# Altium PCB WireFeeder.PcbDoc (part 2 of 2)
Units mil, origin at the board's own origin, x right, y up, seen from the top; angles counter-clockwise.
Board outline 3937.01 x 3937.01 mil, 2 copper layers (Top Layer, Bottom Layer), stack 61.855 mil thick; 130 components, 92 nets, 379 pads, 161 vias.
Unrouted connection lines stored in the file: 1.
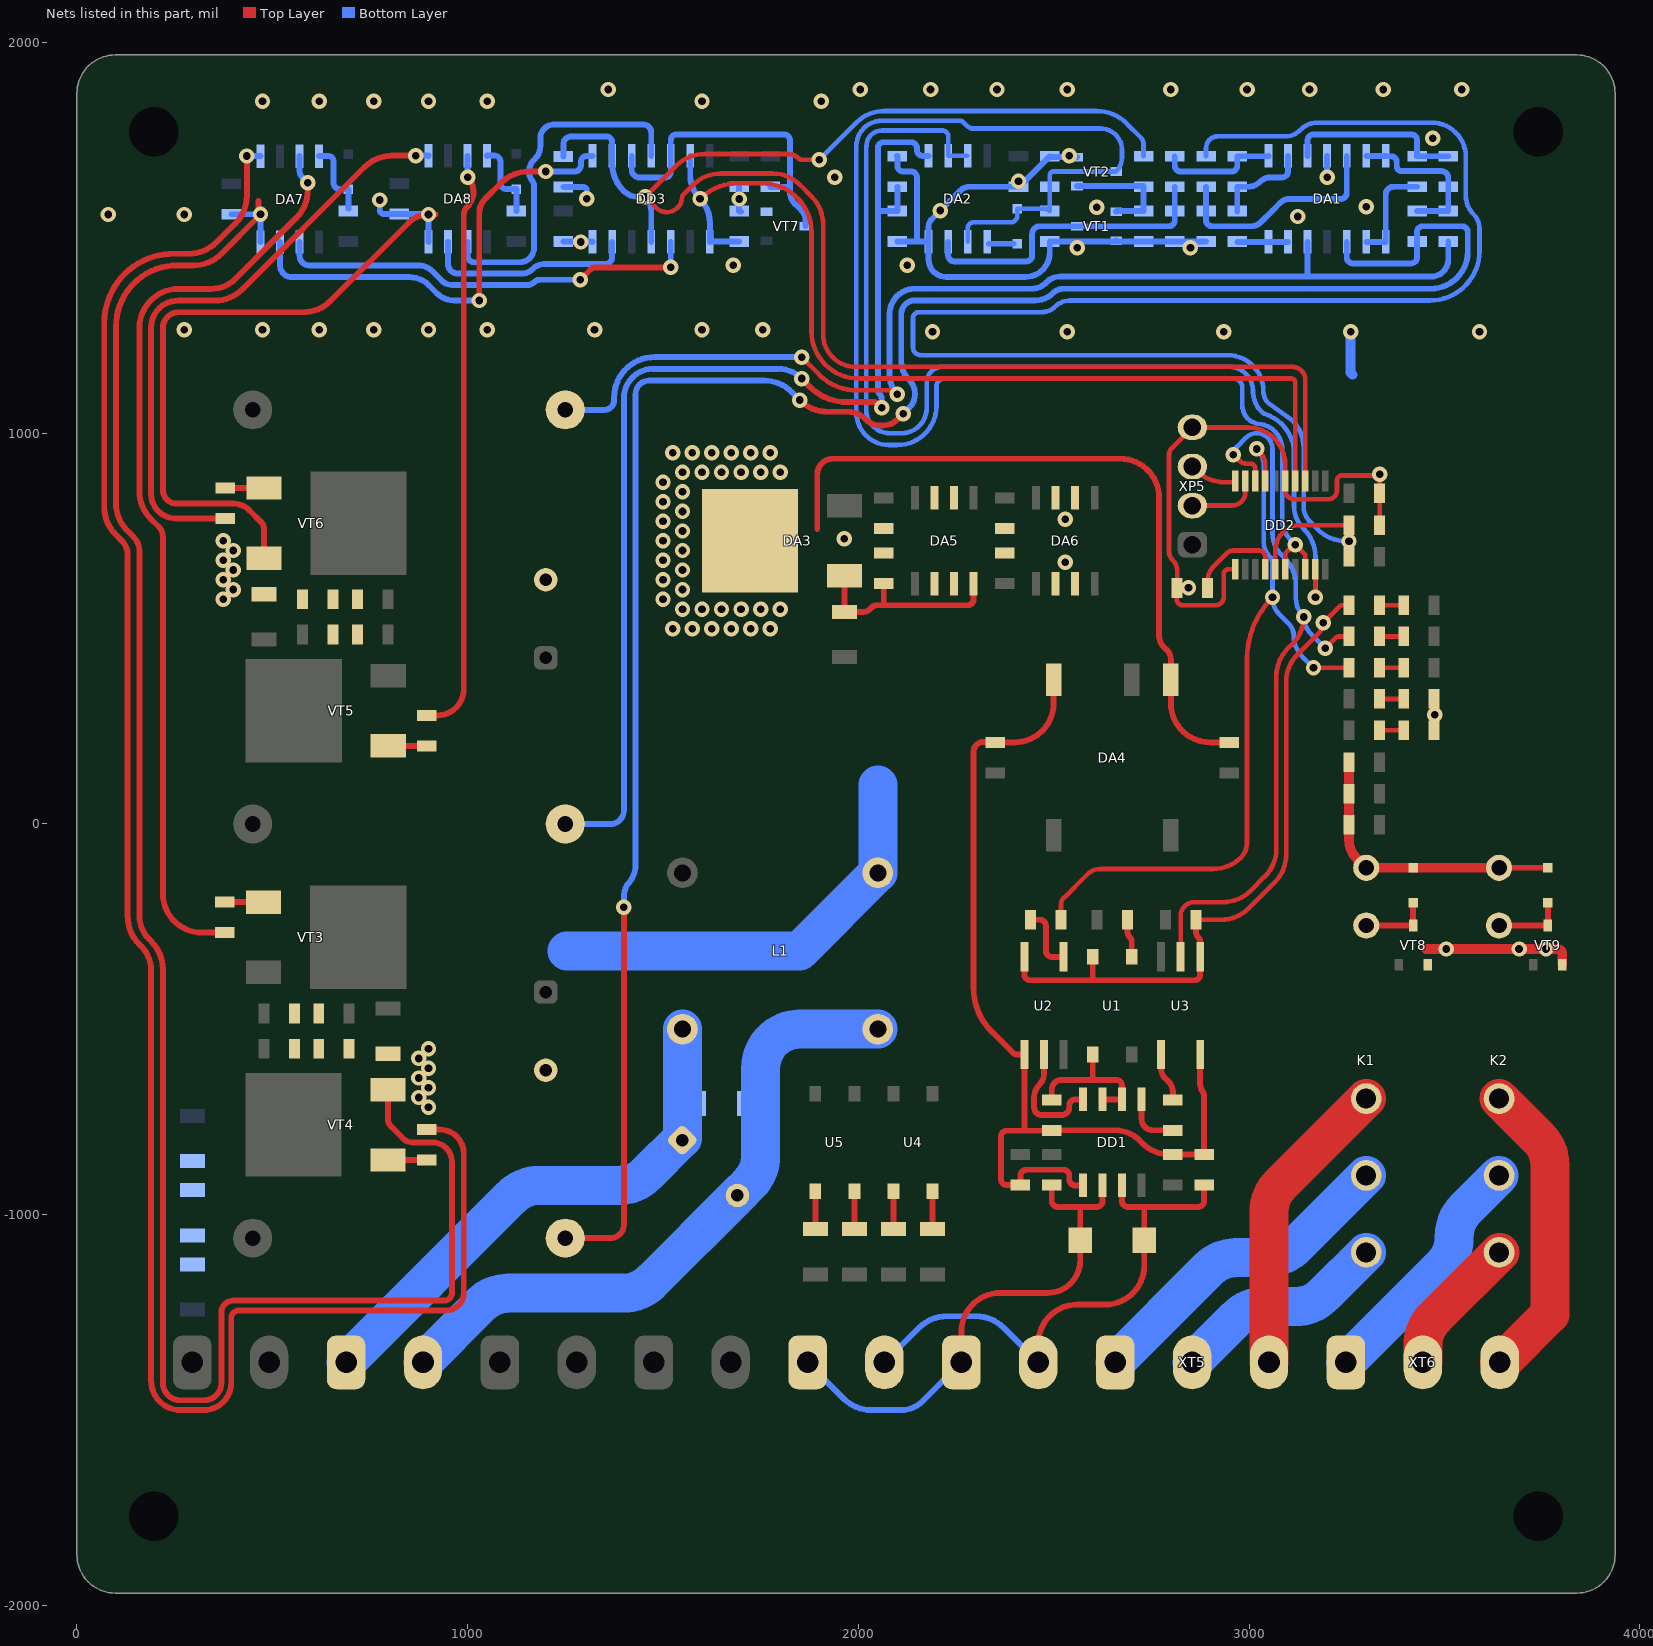
[diagram p2: the nets of this part, all layers, seen from the top]

## Via types
v1: diameter 39.37, hole 19.68, Top Layer to Bottom Layer, tented both sides, 161 vias

## Nets (pads, with @x,y where several pads share a name; then routed paths per layer and width w, separated by ;. In a path a pad name is that pad's centre, name@x,y a point inside that pad or via, vN(x,y) a via of type N, cw(c..) or ccw(c..) an arc to the next point about the centre after c; other vN are vias at no path point) (continued)
GND: C1.1 C2.1 C3.1 C4.2 C7.1 C10.1 C12.1 C13.1 C14.1 C15.1 C16.1 C17.1 C18.1 C20.1 C23.1 C25.1 C26.1 C27.1 C28.2 C29.2 C31.1 C32.2 C33.2 DA1.11 DA2.4 DA3.GND DA4.-Vin DA5.2 DA5.3 DA5.6 DA5.7 DA6.2 DA6.3 DA6.6 DA6.7 DA7.4 DA8.4 DD2.1 DD2.15 DD3.7 L1.OutB R10.1 R13.1 R15.1 R33.1 R35.1 R36.1 R44.1 U1.2 U2.2 U3.3 VD10.Cathode VD11.Cathode VT1.Source VT2.Source VT4.Source VT6.Source VT7.Source VT8.Source VT9.Source XP5.4 | length 15614.8
  Top Layer w12: 2805,675 cw(c2778.44,648.44) 2816,648.44 2816,605 ccw(c2816,604) 2815,604 2815,575 ccw(c2830,575) 2830,560 2915,560 ccw(c2915,580) 2935,580 2935,639 cw(c2947.81,639) 2947.81,651.81 DD2.1@2964.84,651.81 ; 2804.98,675.02 cw(c2829.14,699.14) 2795,699.14 2795,942.93 cw(c2824.14,942.93) 2803.54,963.54 XP5.4@2855,1015 2996.86,1015 cw(c2996.86,919.07) 3092.8,919.07 DD2.15@3092.8,878.19 3092.8,854.2 ccw(c3116,854.2) 3116,831 3203,831 ccw(c3203,853) 3219.73,838.71 ccw(c3203,853) 3225,853 3225,879 cw(c3238,879) 3238,892 3323,892 cw(c3323,880) 3335,880 3335,766 cw(c3334,766) C17.1@3334,765 ; C7.1@2864,-245 2928.58,-245 ccw(c2928.58,-145) 2999.29,-215.71 3065.71,-149.29 ccw(c2995,-78.58) 3095,-78.58 3095,363.58 cw(c3195,363.58) 3124.29,434.29 3146.72,456.72 ; R44.1@3261,560 R44.1@3256,560 3235,560 v1(3190,515) cw(c3153.79,515) 3190,514.6 cw(c3153.79,515) 3179.39,489.39 3146.79,456.79 ; VD11.Cathode@3479,240 VD10.Cathode@3479,320 ; 3146.72,456.72 ccw(c3078.43,525) 3146.79,456.79 ; 3146.72,456.72 3146.79,456.79
  Top Layer w15: 465,1594.63 465,1554.63 369.29,1458.92 cw(c298.58,1529.63) 298.58,1429.63 256.37,1429.63 ccw(c256.37,1273.26) 100,1273.26 100,821.42 ccw(c200,821.42) 129.29,750.71 145.01,734.99 cw(c108.79,698.79) 160,698.79 160,-234.64 ccw(c245.36,-234.64) 185,-295 190.71,-300.71 cw(c120,-371.42) 220,-371.42 220,-1430 ccw(c265,-1430) 265,-1475 325,-1475 ccw(c325,-1430) 370,-1430 370,-1250 cw(c400,-1250) 400,-1220 940,-1220 ccw(c940,-1200) 960,-1200 960,-865 ccw(c910,-865) 910,-815 859.14,-815 cw(c859.14,-780.86) 835,-805 803.78,-773.78 cw(c822.56,-755) 796,-755 VT4.Source@796,-680 ; VT6.Source@479,680 479,754.1 ccw(c451.24,754.1) 470.88,773.72 441.99,802.61 ccw(c400,760.62) 400,820 255,820 cw(c255,855) 220,855 220,1269.63 cw(c260,1269.63) 260,1309.63 578.58,1309.63 ccw(c578.58,1409.63) 649.29,1338.92 850,1539.63 cw(c898.28,1491.34) 898.28,1559.63 v1@918,1559.63 ; 1895,755 1895,895 cw(c1935,895) 1935,935 2670,935 cw(c2670,835) 2770,835 2770,480 ccw(c2806.21,480) 2780.61,454.39 2790,445 cw(c2765.86,420.86) 2800,420.86 DA4.-Vin@2800,368.82 2800,309 ccw(c2900,309) 2900,209 C10.1@2950,209 ; U2.2@2425,-340 2425,-385 ccw(c2440,-385) 2440,-400 2600,-400 ; U1.2@2600,-340 2600,-400 ; C7.1@2864,-245 2864,-275.51 ccw(c2884.49,-275.51) 2870,-290 cw(c2857.93,-302.07) 2875,-302.07 U3.3@2875,-340 2875,-385 cw(c2860,-385) 2860,-400 2600,-400
  Top Layer w25: 3453,-320 v1(3505,-320) v1(3691.18,-320) v1(3760,-320) 3790,-320 cw(c3790,-332) 3802,-332 VT9.Source@3802,-360
  Bottom Layer w15: C18.1@395,1560.63 v1(470,1560.63) DA7.4@470,1489.63 ; v1(775,1597) 775,1572.63 ccw(c786.63,1572.63) 786.63,1561 C20.1@825,1561 v1@900,1561 ; DA8.4@900,1490 v1(900,1560) ; R33.1@1245,1490.63 1319,1490.63 cw(c1319,1489.63) DD3.7@1320,1489.63 ; R35.1@1245,1630.63 1295,1630.63 cw(c1295,1620.63) 1305,1620.63 v1(1305,1600) v1@1305,1599.63 ; C33.2@1695,1630.63 v1(1695,1599.63) R36.1@1695,1569 ccw(c1699.83,1573.83) R36.1@1699.83,1567 ; R15.1@2099,1710 cw(c2099,1709) R15.1@2100,1709 2100,1685 ccw(c2115,1685) 2115,1670 2135,1670 cw(c2135,1655) 2150,1655 2150,1491 ; C4.2@2100,1491 2150,1491 ; DA2.4@2180,1490 2180,1445 ccw(c2225,1445) 2225,1400 2427.46,1400 ccw(c2427.46,1462.54) 2490,1462.54 R10.1@2490,1491 2658,1491 ccw(c2658,1493) VT1.Source@2660,1493 ccw(c2662,1493) 2662,1491 C3.1@2730,1491 C1.1@2810,1491 R13.1@2890,1491 ; VT2.Source@2560,1707 2494.83,1707 cw(c2494.83,1713.83) C2.1@2490,1709 2413.41,1632.41 cw(c2410,1635.83) C13.1@2410,1631 2285,1631 ccw(c2285,1597.2) 2261.1,1621.1 v1(2210,1570) 2187.4,1547.4 ccw(c2205.29,1529.52) 2180,1529.52 2180,1491 2150,1491 ; v1(3199.87,1655) 3199.87,1709.87 DA1.11@3200,1710
  Bottom Layer w25: v1(3260,1260) 3260,1155 3265,1150
  Bottom Layer w100: 1254.47,-325 1850,-325 L1.OutB@2050,-125 2050,100
  other v1: 900,-725 875,-700 900,-675 875,-650 900,-625 875,-600 900,-575 3475,280 1525,500 1575,500 1625,500 1675,500 1725,500 1775,500 1550,550 1600,550 1650,550 1700,550 1750,550 1800,550 375,575 1500,575 400,600 1550,600 2845,605 375,625 1500,625 400,650 1550,650 2529.63,670 375,675 1500,675 400,700 1550,700 375,725 1500,725 1964.13,730 1550,750 1500,775 2530,780 1550,800 1500,825 1550,850 1500,875 3335,895 1550,900 1600,900 1650,900 1700,900 1750,900 1800,900 1525,950 1575,950 1625,950 1675,950 1725,950 1775,950 2190,1260 2535,1260 2935,1260 3590,1260 275,1265 475,1265 620,1265 760,1265 900,1265 1050,1265 1325,1265 1600,1265 1755.21,1265 1680,1430 2125,1430 2560,1475 2850,1475 1290,1489.63 3125,1555 80,1560 275,1560 2610,1578.75 3300,1580 2410,1645 1940,1655 2540,1710 3470,1755 475,1850 620,1850 760,1850 900,1850 1050,1850 1600,1850 1905.21,1850 1360,1880 2005,1880 2185,1880 2355,1880 2535,1880 2800,1880 2995,1880 3155,1880 3343.96,1880 3544.39,1880
GND-RS485: C5.1 C6.1 C11.1 DA4.COM DD1.5 R17.2 R18.1 U2.3 U3.2 | length 2553.1
  Top Layer w15: R18.1@2480.5,-785 2425,-785 ; R18.1@2495,-784 2657.23,-784 cw(c2657.23,-872.77) 2720,-810 2726.71,-816.71 ccw(c2797.42,-746) 2797.42,-846 C5.1@2805,-846 2882.59,-846 ccw(c2882.59,-842.59) 2885,-845 2885,-696.64 ccw(c2862.55,-696.64) 2883.38,-688.26 ; DA4.COM@2500,368.82 2500,309 cw(c2400,309) 2400,209 C11.1@2350,209 ccw(c2349,209) 2349,210 2320,210 ccw(c2320,185) 2295,185 2295,-419.64 ccw(c2452.78,-419.64) 2341.21,-531.21 2395,-585 ccw(c2407.07,-572.93) 2407.07,-590 U2.3@2425,-590 2425,-785 ; DD1.5@2575,-925 2555,-925 cw(c2555,-910) 2540,-910 2540,-900 ccw(c2525,-900) 2525,-885 2430,-885 ccw(c2430,-900) 2415,-900 C6.1@2415,-924 2380,-924 cw(c2380,-909) 2365,-909 2365,-800 cw(c2380,-800) 2380,-785 2425,-785 ; U3.2@2875,-590 2875,-665.86 ccw(c2909.14,-665.86) 2878.43,-680.76 ; 2878.43,-680.76 ccw(c2909.14,-665.86) 2883.38,-688.26 ; 2878.43,-680.76 cw(c2862.55,-696.64) 2883.38,-688.26
Loop: DD2.13 DD3.4 DD3.9 R11.2 R35.2 | length 4342.6
  Top Layer w12: 1480.61,1579.39 v1(1455,1605) 1535.71,1685.71 cw(c1606.42,1615) 1606.42,1715 1820.86,1715 cw(c1820.86,1680.86) 1845,1705 ccw(c1857.07,1717.07) 1857.07,1700 v1(1900,1700) ; 1482.42,1577.42 ccw(c1510,1605) 1549,1605 cw(c1554.69,1605) 1550.67,1609.02 1577.36,1635.71 cw(c1648.07,1565) 1648.07,1665 1780.06,1665 cw(c1780.06,1565) 1848.29,1638.1 cw(c1780.06,1565) 1850.77,1635.71 1880.71,1605.77 cw(c1810,1535.06) 1910,1535.06 1910,1253.04 ccw(c1993.04,1253.04) 1993.04,1170 3110.99,1170 cw(c3110.99,1137.01) 3143.98,1137.01 DD2.13@3143.98,878.19
  Bottom Layer w12: v1(1900,1700) 1995.71,1795.71 cw(c2066.42,1725) 2066.42,1825 2609.04,1825 cw(c2609.04,1714.04) 2687.5,1792.5 2722.93,1757.07 cw(c2705.86,1740) 2730,1740 R11.2@2730,1709
  Bottom Layer w15: R35.2@1245,1708.63 1245,1739.63 cw(c1265,1739.63) 1265,1759.63 1355,1759.63 cw(c1355,1744.63) 1370,1744.63 1370,1691.05 ccw(c1470,1691.05) 1399.29,1620.34 ccw(c1436.32,1657.37) 1436.32,1605 v1(1455,1605) cw(c1418.79,1568.79) 1470,1568.79 DD3.4@1470,1490 DD3.4@1470,1489.63
Loop_A: DA8.3 DD3.6 | length 546.6
  Bottom Layer w15: DA8.3@950,1490 950,1433.33 ccw(c974.7,1433.33) 974.7,1408.63 1137.13,1408.63 ccw(c1137.13,1450.87) 1167,1421 cw(c1195.97,1392.03) 1195.97,1433 1352,1433 ccw(c1352,1451) 1370,1451 DD3.6@1370,1490
Loop_B: DA7.3 DD3.8 | length 1196.2
  Top Layer w15: v1(1030,1340) 1030,1563.79 cw(c1081.21,1563.79) 1044.99,1599.99 1085.71,1640.71 cw(c1156.42,1570) 1156.42,1670 v1(1200,1670)
  Bottom Layer w15: DA7.3@520,1489.63 520,1429.63 ccw(c550,1429.63) 550,1399.63 851.72,1399.63 cw(c851.72,1331.34) 900,1379.63 921.69,1357.94 ccw(c965,1401.25) 965,1340 v1(1030,1340) ; v1(1200,1670) 1273.74,1670 ccw(c1273.74,1686.26) 1290,1686.26 1290,1694.63 cw(c1305,1694.63) 1305,1709.63 DD3.8@1320,1709.63
NetC1_2: C1.2 DA2.3 R9.2 VT1.Drain | length 793.1
  Bottom Layer w15: DA2.3@2230,1490 2230,1455 ccw(c2245,1455) 2245,1440 2430,1440 ccw(c2430,1455) 2445,1455 2445,1510 cw(c2465,1510) 2465,1530 VT1.Drain@2560,1530 2795,1530 ccw(c2795,1545) 2810,1545 C1.2@2810,1569 R9.2@2810,1631
NetC3_2: C3.2 R11.1 VT1.Gate VT2.Gate | length 304.3
  Bottom Layer w15: VT2.Gate@2560,1633 2728,1633 cw(c2728,1631) R11.1@2730,1631 C3.2@2730,1569 2662,1569 ccw(c2662,1567) VT1.Gate@2660,1567
NetC4_1: C4.1 DA2.5 R14.2 R15.2 | length 2900.1
  Top Layer w15: v1(1855,1140) 1875.71,1119.29 ccw(c1970.56,1214.14) 1970.56,1080 2039.14,1080 cw(c2039.14,1065.86) 2049.14,1075.86 v1(2060,1065)
  Bottom Layer w15: R14.2@1250,0 1365,0 ccw(c1365,35) 1400,35 1400,1090 cw(c1475,1090) 1475,1165 1794.64,1165 cw(c1794.64,1079.64) v1(1855,1140) ; v1(2060,1065) 2060,1087.93 ccw(c2042.93,1087.93) 2055,1100 cw(c2067.07,1112.07) 2050,1112.07 2050,1570 ; R15.2@2100,1631 C4.1@2100,1569 2051,1569 cw(c2051,1570) 2050,1570 ; DA2.5@2180,1710 2165,1710 cw(c2165,1725) 2150,1725 2150,1730 ccw(c2135,1730) 2135,1745 2065,1745 ccw(c2065,1730) 2050,1730 2050,1570
NetC8_1: C8.1 C9.2 L1.InB XT3.2 | length 1676.3
  Bottom Layer w100: XT3.2@885.83,-1377.95 1033.7,-1230.08 cw(c1104.41,-1300.79) 1104.41,-1200.79 1399.21,-1200.79 ccw(c1399.21,-1100.79) 1469.92,-1171.5 C9.2@1690.71,-950.71 1720.71,-920.71 ccw(c1650,-850) 1745.57,-879.43 ccw(c1650,-850) 1750,-850 1750,-625 cw(c1850,-625) 1850,-525 L1.InB@2050,-525
NetC8_2: C8.2 C9.1 L1.InA XT3.1 | length 1368.6
  Bottom Layer w100: XT3.1@688.98,-1377.95 1112.64,-954.29 cw(c1183.35,-1025) 1183.35,-925 1387.16,-925 ccw(c1387.16,-825) 1457.87,-895.71 C9.1@1549.29,-804.29 ; C9.1@1550,-804.29 L1.InA@1550,-525
NetC15_2: C15.2 DA3.Input DA5.8 R22.1 | length 531.8
  Top Layer w15: DA3.Input@1965,635 R22.1@1965,543 2013.1,543 ccw(c2013.1,566.9) 2030,550 2035,555 cw(c2047.07,542.93) 2047.07,560 2065,560 ; C15.2@2065,616 2065,560 ; DA5.8@2295,615 2295,575 cw(c2280,575) 2280,560 2065,560
NetC19_2: C19.2 DA7.8 VD3.Cathode | length 197.1
  Bottom Layer w15: DA7.8@620,1709.63 643,1709.63 cw(c643,1695.63) 657,1695.63 657,1640.63 ccw(c673,1640.63) 673,1624.63 VD3.Cathode@695,1624.63 C19.2@695,1574.63
NetC21_2: C21.2 DA8.8 VD4.Cathode | length 204.5
  Bottom Layer w15: DA8.8@1050,1710 1050,1710.63 1069,1710.63 cw(c1069,1695.63) 1084,1695.63 1084,1640.63 ccw(c1099.63,1640.63) 1099.63,1625 VD4.Cathode@1125,1625 C21.2@1125,1568.63
NetC22_2: C22.2 R27.1
NetC23_2: C23.2 R28.1
NetC24_2: C24.2 R29.1
NetC25_2: C25.2 R30.1
NetC30_1: C30.1 R31.2
NetC30_2: C30.2 R32.1
NetC31_2: C31.2 DD2.4 | length 248.5
  Top Layer w12: C31.2@2894,604 2894,621.37 cw(c2948.63,621.37) 2909.98,659.98 2942.93,692.93 cw(c2960,675.86) 2960,700 3025,700 cw(c3025,683.39) 3041.61,683.39 DD2.4@3041.61,651.81
NetDA1_1: DA1.1 DA1.2 R5.1 | length 262.4
  Bottom Layer w15: DA1.2@3300,1490 DA1.1@3350,1490 3350,1610.94 cw(c3370.06,1610.94) 3370.06,1631 R5.1@3430,1631
NetDA1_3: DA1.3 R1.2 R2.2 | length 5371
  Top Layer w15: R1.2@1250,-1060 1365,-1060 ccw(c1365,-1025) 1400,-1025 v1(1400,-212.93) ; v1(1850,1085) 1850.71,1084.29 ccw(c1921.42,1155) 1921.42,1055 1971.72,1055 cw(c1971.72,986.72) 2020,1035 ccw(c2056.21,1071.21) 2056.21,1020 2062.93,1020 ccw(c2062.93,1073.28) 2100.61,1035.61 v1(2115,1050)
  Bottom Layer w15: v1@1405,-225 cw(c1417.07,-212.93) v1(1400,-212.93) 1400,-188.28 cw(c1468.28,-188.28) 1407.85,-156.5 ccw(c1354.37,-103.02) 1420.8,-139.17 ccw(c1354.37,-103.02) 1430,-103.02 1430,1100 cw(c1465,1100) 1465,1135 1758.58,1135 cw(c1758.58,1035) 1829.29,1105.71 v1(1850,1085) ; v1(2115,1050) 2130.86,1065.86 ccw(c2096.72,1100) 2145,1100 ccw(c2090.02,1100) 2135.32,1131.16 ccw(c2090.02,1100) 2128.9,1138.88 2122.77,1145 cw(c2174.69,1183.59) 2110,1183.59 2110,1305 cw(c2145,1305) 2145,1340 2451.72,1340 ccw(c2451.72,1408.28) 2500,1360 cw(c2524.14,1335.86) 2524.14,1370 3465,1370 ccw(c3465,1465) 3560,1465 3560,1515 ccw(c3545,1515) 3545,1530 3445,1530 ccw(c3445,1515) 3430,1515 R2.2@3430,1491 3430,1450 cw(c3415,1450) 3415,1435 3265,1435 cw(c3265,1450) 3250,1450 DA1.3@3250,1490
NetDA1_5: DA1.5 R3.2 R4.2 | length 2793.1
  Top Layer w12: v1(1855,1195) 1900.71,1149.29 ccw(c1995.56,1244.14) 1995.56,1110 2075.86,1110 cw(c2075.86,1075.86) v1(2100,1100)
  Bottom Layer w15: R4.2@1250,1060 1350,1060 ccw(c1350,1085) 1375,1085 1375,1091.73 cw(c1478.27,1091.73) 1478.27,1195 v1@1840,1195 ; v1(2100,1100) cw(c2148.28,1148.28) 2080,1148.28 2080,1200 2080,1305 cw(c2145,1305) 2145,1370 2443.79,1370 ccw(c2443.79,1421.21) 2479.99,1384.99 2481.47,1386.47 cw(c2516.56,1351.37) 2516.56,1401 3150,1401 ; DA1.5@3150,1490 3150,1401 ; R3.2@3510,1491 3510,1445 cw(c3466,1445) 3466,1401 3150,1401
NetDA1_6: DA1.6 DA1.7 R6.1 | length 130
  Bottom Layer w15: R6.1@2970,1490 DA1.7@3050,1490 DA1.6@3100,1490
NetDA1_8: DA1.8 R8.2 R9.1 | length 305.7
  Bottom Layer w15: R9.1@2810,1709 2810,1685 ccw(c2825,1685) 2825,1670 2955,1670 ccw(c2955,1685) 2970,1685 R8.2@2970,1709 3049,1709 ccw(c3049,1710) DA1.8@3050,1710
NetDA1_9: DA1.9 R6.2 R8.1 | length 247.7
  Bottom Layer w15: R6.2@2970,1568 R8.1@2970,1631 2996.2,1631 ccw(c2996.2,1678.8) 3030,1645 cw(c3054.14,1620.86) 3054.14,1655 3084.25,1655 ccw(c3084.25,1670.75) 3100,1670.75 DA1.9@3100,1710
NetDA1_10: DA1.10 R5.2 R7.1 | length 458.1
  Bottom Layer w15: DA1.10@3150,1710 3150,1750 cw(c3165,1750) 3165,1765 3415,1765 cw(c3415,1750) 3430,1750 R5.2@3430,1709 R7.1@3510,1709
NetDA1_12: DA1.12 R12.2 R13.2 | length 584.1
  Bottom Layer w15: R12.2@2890,1631 R13.2@2890,1569 2890,1545 ccw(c2905,1545) 2905,1530 3006,1530 ccw(c3006,1563.8) 3029.9,1539.9 3059.95,1569.95 3079.39,1589.39 cw(c3105,1563.79) 3105,1600 3235,1600 ccw(c3235,1615) 3250,1615 DA1.12@3250,1710
NetDA2_1: DA2.1 VD1.Anode | length 64
  Bottom Layer w15: DA2.1@2334,1485 VD1.Anode@2398,1485
NetDA7_5: DA7.5 R24.1 | length 4993.8
  Top Layer w15: v1(435,1709.63) 435,1608.05 cw(c335,1608.05) 418.17,1552.53 cw(c335,1608.05) 405.71,1537.34 357.26,1488.89 cw(c286.55,1559.6) 286.55,1459.6 244.54,1459.6 ccw(c247.82,1281.8) 236.83,1459.29 ccw(c247.82,1281.8) 70,1281.8 70,811.42 ccw(c170,811.42) 99.29,740.71 115.01,724.99 cw(c78.79,688.79) 130,688.79 130,-236.95 ccw(c230,-236.95) 159.29,-307.66 164.25,-312.62 cw(c102.07,-374.79) 190,-374.79 190,-1425 ccw(c265,-1425) 265,-1500 325,-1500 ccw(c325,-1430) 395,-1430 395,-1265 cw(c415,-1265) 415,-1245 945,-1245 ccw(c945,-1200) 990,-1200 990,-843.06 ccw(c928.94,-843.06) 928.94,-782 R24.1@895,-782
  Bottom Layer w15: v1(435,1709.63) DA7.5@470,1709.63
NetDA7_7: DA7.7 R23.1 | length 2387.2
  Top Layer w15: R23.1@379,-278 320,-278 cw(c320,-178) 220,-178 220,735.86 ccw(c185.86,735.86) 210,760 189.29,780.71 cw(c260,851.42) 160,851.42 160,1269.63 cw(c260,1269.63) 260,1369.63 344.58,1369.63 ccw(c344.58,1455.14) 405.05,1394.67 561.71,1551.34 ccw(c491,1622.05) 591,1622.05 v1(591,1641.63)
  Bottom Layer w15: DA7.7@570,1709.63 570,1670.63 ccw(c589.31,1670.63) 575.66,1656.97 v1(591,1641.63)
NetDA8_5: DA8.5 R26.2 | length 1546.6
  Top Layer w15: R26.2@380,782 253,782 cw(c253,845) 190,845 190,1270.49 cw(c259.13,1270.49) 259.13,1339.63 353.21,1339.63 ccw(c353.21,1439.63) 423.92,1368.92 736.34,1681.34 cw(c807.05,1610.63) 807.05,1710.63 v1(867,1710.63)
  Bottom Layer w15: v1(867,1710.63) 900,1710.63 DA8.5@900,1710
NetDA8_7: DA8.7 R25.2 | length 1506.5
  Top Layer w15: R25.2@896,278 923,278 ccw(c923,345) 990,345 990,1558.27 cw(c1020.36,1558.27) 998.89,1579.74 ccw(c960,1618.63) v1@1000.87,1655.43
  Bottom Layer w15: v1@1000,1656.36 DA8.7@1000,1710
  other v1: 1000,1655
NetDD1_1: DD1.1 R21.1 | length 151.6
  Top Layer w15: DD1.1@2725,-705 2725,-755 ccw(c2754,-755) 2754,-784 R21.1@2805,-784 ; R21.1@2805,-779 R21.1@2810,-779
NetDD1_2: DD1.2 DD1.3 R18.2 U1.3 | length 378.8
  Top Layer w15: R18.2@2495,-706 2495,-680 cw(c2520,-680) 2520,-655 2600,-655 ; U1.3@2600,-590 2600,-655 ; DD1.3@2625,-705 DD1.2@2675,-705 2675,-670 ccw(c2660,-670) 2660,-655 2600,-655
NetDD1_4: DD1.4 U2.4 | length 303.1
  Top Layer w15: U2.4@2475,-590 2475,-640.86 cw(c2440.86,-640.86) 2465,-665 ccw(c2501.21,-701.21) 2450,-701.21 2450,-725 ccw(c2470,-725) 2470,-745 2520,-745 ccw(c2520,-725) 2540,-725 2540,-720 cw(c2555,-720) 2555,-705 DD1.4@2575,-705
NetDD1_6: DD1.6 R16.1 VD2.1 XT1.1 XT2.1 | length 1337
  Top Layer w15: XT2.1@2263.78,-1377.95 2263.78,-1300 cw(c2363.78,-1300) 2363.78,-1200 2485,-1200 ccw(c2485,-1117) 2568,-1117 VD2.1@2568,-1065 2568,-982 ; R16.1@2495,-924 2495,-965 ccw(c2510,-965) 2510,-980 2568,-980 2610,-980 ccw(c2610,-965) 2625,-965 DD1.6@2625,-925
  Bottom Layer w15: XT1.1@1870.08,-1377.95 1962.84,-1470.71 ccw(c2033.55,-1400) 2033.55,-1500 2110,-1500 ccw(c2110,-1423.39) 2164.17,-1477.56 XT2.1@2263.78,-1377.95
NetDD1_7: DD1.7 R17.1 VD2.2 XT1.2 XT2.2 | length 1370.4
  Top Layer w15: XT2.2@2460.63,-1377.95 2460.63,-1330 cw(c2560.63,-1330) 2560.63,-1230 2632,-1230 ccw(c2632,-1130) 2732,-1130 VD2.2@2732,-1065 2732,-982 ; DD1.7@2675,-925 2675,-965 ccw(c2690,-965) 2690,-980 2870,-980 ccw(c2870,-965) 2885,-965 R17.1@2885,-926
  Bottom Layer w15: XT1.2@2066.93,-1377.95 2155.59,-1289.29 cw(c2226.3,-1360) 2226.3,-1260 2301.26,-1260 cw(c2301.26,-1360) 2371.97,-1289.29 XT2.2@2460.63,-1377.95
NetDD3_10: DD3.10 DD3.12 R34.1 VT7.Drain | length 840.7
  Bottom Layer w15: DD3.10@1420,1709.63 1420,1674.62 ccw(c1440,1674.62) 1440,1654.63 1505,1654.63 ccw(c1505,1669.63) 1520,1669.63 1520,1709.63 DD3.12@1520,1710 1520,1750 cw(c1535,1750) 1535,1765 1810,1765 cw(c1810,1750) 1825,1750 1825,1630.63 ; R34.1@1775,1630.63 1825,1630.63 ; VT7.Drain@1865,1530 1865,1545.84 ccw(c1830.82,1545.84) 1854.99,1570.01 1837.87,1587.13 cw(c1868.94,1618.2) 1825,1618.2 1825,1630.63
NetK1_1A: K1.1A XT5.2 | length 553.7
  Bottom Layer w100: XT5.2@2854.33,-1377.95 2967.99,-1264.29 cw(c3038.7,-1335) 3038.7,-1235 3119.96,-1235 ccw(c3119.96,-1135) 3190.67,-1205.71 K1.1A@3300,-1096.38
NetK1_1B: K1.1B XT5.3 | length 774
  Top Layer w100: XT5.3@3051.18,-1377.95 3051.18,-992.92 cw(c3151.18,-992.92) 3080.47,-922.21 K1.1B@3300,-702.68
NetK1_1C: K1.1C XT5.1 | length 832.1
  Bottom Layer w100: XT5.1@2657.48,-1377.95 2896.14,-1139.29 cw(c2966.85,-1210) 2966.85,-1110 3048.11,-1110 ccw(c3048.11,-1010) 3118.82,-1080.71 K1.1C@3300,-899.53
NetK1_CoilA: K1.CoilA K2.CoilA R41.1 R42.1 R43.1 VD5.Cathode VD6.Cathode | length 744.1
  Top Layer w15: K2.CoilA@3640,-112.13 VD6.Cathode@3765,-112.13
  Top Layer w25: R41.1@3255,149 3256,150 3256,-42 ccw(c3319.07,-42) 3274.47,-86.6 K1.CoilA@3300,-112.13 K2.CoilA@3640,-112.13
NetK1_CoilB: K1.CoilB VD5.Anode VT8.Drain | length 175.1
  Top Layer w15: K1.CoilB@3300,-259.76 3419.76,-259.76 VT8.Drain@3420,-260 VD5.Anode@3420,-205
NetK2_1A: K2.1A XT6.2 | length 358.8
  Top Layer w100: XT6.2@3444.88,-1377.95 3444.88,-1334.65 cw(c3544.88,-1334.65) 3474.17,-1263.94 K2.1A@3641.73,-1096.38
NetK2_1B: K2.1B XT6.3 | length 780.7
  Top Layer w100: K2.1B@3640,-702.68 3741.94,-804.61 cw(c3674.18,-872.37) 3770,-872.37 3770,-1255 3650.81,-1374.19 cw(c3641.73,-1365.12) XT6.3@3641.73,-1377.95
NetK2_1C: K2.1C XT6.1 | length 632.2
  Bottom Layer w100: XT6.1@3248.03,-1377.95 3495.71,-1130.27 ccw(c3425,-1059.56) 3525,-1059.56 3525,-1055.95 cw(c3625,-1055.95) 3554.29,-985.24 K2.1C@3640,-899.53
NetK2_CoilB: K2.CoilB VD6.Anode VT9.Drain | length 180.1
  Top Layer w15: K2.CoilB@3640,-259.76 3764.76,-259.76 VT9.Drain@3765,-260 VD6.Anode@3765,-205
NetR19_1: R19.1 U1.1 | length 97.9
  Top Layer w15: R19.1@2689,-245 2689,-275.51 ccw(c2709.49,-275.51) 2695,-290 cw(c2682.93,-302.07) 2700,-302.07 U1.1@2700,-340
NetR20_1: R20.1 U2.1 | length 166.1
  Top Layer w15: R20.1@2441,-245 2465,-245 cw(c2465,-260) 2480,-260 2480,-325 ccw(c2495,-325) 2495,-340 U2.1@2525,-340
NetR21_2: R21.2 U3.1 | length 125.4
  Top Layer w15: U3.1@2775,-590 2775,-625.86 ccw(c2809.14,-625.86) 2785,-650 2794.39,-659.39 cw(c2768.79,-685) 2805,-685 R21.2@2805,-706
NetR23_2: R23.2 VT3.Gate | length 99
  Top Layer w15: R23.2@379,-200 VT3.Gate@478,-200
NetR24_2: R24.2 VT4.Gate | length 98
  Top Layer w15: VT4.Gate@796,-860 R24.2@893.97,-860
NetR25_1: R25.1 VT5.Gate | length 99
  Top Layer w15: VT5.Gate@797,200 R25.1@896,200
NetR26_1: R26.1 VT6.Gate | length 99
  Top Layer w15: R26.1@380,860 VT6.Gate@479,860
NetR37_2: R37.2 U4.2 | length 97
  Top Layer w15: R37.2@2190,-1037 U4.2@2190,-940
NetR38_2: R38.2 U4.1 | length 97
  Top Layer w15: R38.2@2090,-1037 U4.1@2090,-940
NetR39_2: R39.2 U5.2 | length 97
  Top Layer w15: R39.2@1990,-1037 U5.2@1990,-940
NetR40_2: R40.2 U5.1 | length 97
  Top Layer w15: R40.2@1890,-1037 U5.1@1890,-940
NetR44_2: R44.2 VD7.Cathode | length 62
  Top Layer w12: R44.2@3334,560 VD7.Cathode@3396,560
NetR45_2: R45.2 VD8.Cathode | length 62
  Top Layer w12: R45.2@3334,480 VD8.Cathode@3396,480
NetR46_2: R46.2 VD9.Cathode | length 62
  Top Layer w12: R46.2@3334,400 VD9.Cathode@3396,400
NetR47_1: R47.1 VD10.Anode | length 62
  Top Layer w12: R47.1@3334,320 VD10.Anode@3396,320
NetR48_1: R48.1 VD11.Anode | length 62
  Top Layer w12: R48.1@3334,240 VD11.Anode@3396,240
PWM: DD2.14 DD3.1 DD3.13 R36.2 | length 2494.2
  Top Layer w12: v1(1595,1600) cw(c1691.57,1503.43) 1691.57,1640 1754.23,1640 cw(c1754.23,1514.23) 1880,1514.23 1880,1261.5 ccw(c2001.5,1261.5) 2001.5,1140 3108,1140 cw(c3108,1129.61) 3118.39,1129.61 DD2.14@3118.39,878.19
  Bottom Layer w15: DD3.13@1570,1709.63 1570,1659.98 ccw(c1655.36,1659.98) 1595,1599.63 cw(c1534.64,1539.27) 1620,1539.27 1620,1489.63 cw(c1621,1489.63) 1621,1490.63 R36.2@1695,1490.63
PWM_A: DA7.2 DD3.3 | length 1092.1
  Top Layer w15: v1(1288,1393) 1314.41,1419.41 cw(c1327,1406.83) 1327,1424.63 v1(1520,1424.63)
  Bottom Layer w15: DA7.2@570,1489.63 570,1454.63 ccw(c595,1454.63) 595,1429.63 873.79,1429.63 cw(c873.79,1378.41) 909.99,1414.64 934.39,1390.23 ccw(c960,1415.84) 960,1379.63 1153.45,1379.63 ccw(c1153.45,1402.46) 1169.6,1386.31 cw(c1185.74,1370.17) 1185.74,1393 v1(1288,1393) ; v1@1520,1429.63 DD3.3@1520,1489.63
PWM_B: DA8.2 DD3.11 | length 903.1
  Bottom Layer w15: DA8.2@1000,1490 1000,1454.63 ccw(c1017,1454.63) 1017,1437.63 1133,1437.63 ccw(c1133,1474.63) 1170,1474.63 1170,1632.45 ccw(c1146.66,1632.45) 1163.16,1648.95 cw(c1200,1670) 1172.39,1702.21 ccw(c1138.44,1736.16) 1186.45,1736.16 1186.45,1756.45 cw(c1220,1756.45) 1220,1790 1450,1790 cw(c1450,1770) 1470,1770 DD3.11@1470,1710
Ref: DA1.13 DA1.14 R2.1 R3.1 R7.2 | length 411.3
  Bottom Layer w15: DA1.13@3300,1710 DA1.14@3350,1710 ccw(c3351,1710) 3351,1709 3364,1709 cw(c3364,1695) 3378,1695 3378,1684 ccw(c3391,1684) 3391,1671 3492,1671 cw(c3492,1653) 3510,1653 R7.2@3510,1631 R3.1@3510,1569 R2.1@3430,1569
RX: DD2.18 R45.1 U3.4 | length 1949.1
  Top Layer w12: U3.4@2825,-340 2825,-235 cw(c2860,-235) 2860,-200 2933.58,-200 ccw(c2933.58,-100) 3004.29,-170.71 3040.71,-134.29 ccw(c2970,-63.58) 3070,-63.58 3070,378.58 cw(c3170,378.58) 3099.29,449.29 3111.72,461.72 ccw(c3043.43,530) v1(3140,530) ; v1(2960,945) 2974.77,930.23 ; 2974.78,930.22 ccw(c2993.86,949.32) 2993.86,922.32 3003.7,922.32 cw(c3003.7,910) 3016.02,910 DD2.18@3016.02,878.19 ; v1(3195,450) 3221.46,476.46 cw(c3230,467.93) 3230,480 R45.1@3261,480
  Bottom Layer w12: v1@2968.54,948.54 cw(c2960,957.07) v1(2960,945) cw(c2987.93,945) 2968.18,964.75 2991.72,988.28 cw(c3020,960) 3060,960 3060,743.11 ccw(c3135.11,743.11) 3082,690 3090.71,681.29 cw(c3020,610.58) 3120,610.58 3120,578.28 ccw(c3188.28,578.28) v1(3140,530) ccw(c3200.36,530) 3146.37,503.01 ccw(c3200.36,530) 3157.67,487.33 v1(3195,450)
SWCLK: DD2.20 XP5.3 | length 123
  Top Layer w12: XP5.3@2855,915 2865.71,904.29 ccw(c2936.42,975) 2936.42,875 2957.14,875 ccw(c2957.14,885.89) DD2.20@2964.84,878.19
SWDIO: DD2.19 XP5.2 | length 184.1
  Top Layer w12: XP5.2@2855,815 2955.86,815 ccw(c2955.86,849.14) 2980,825 2982.93,827.93 ccw(c2965.86,845) 2990,845 2990,877.14 cw(c2991.48,877.14) DD2.19@2990.43,878.19
TX: DD2.17 R20.2 R46.1 | length 2033.2
  Top Layer w12: R20.2@2519,-245 2519,-205 cw(c2540.73,-205) 2525.36,-189.64 2586.57,-128.43 cw(c2619,-160.87) 2619,-115 2908.58,-115 ccw(c2908.58,-15) 2979.29,-85.71 ccw(c2941.36,-47.78) 2995,-47.78 2995,423.08 cw(c3216.92,423.08) v1(3060,580) ; v1(3020,960) 3026.98,953.02 cw(c2991.64,917.68) 3041.61,917.68 DD2.17@3041.61,878.19 ; v1(3165,400) R46.1@3256,400 R46.1@3261,400
  Bottom Layer w12: v1(3020,960) cw(c2976.54,916.54) 3038,916.54 3038,719.8 ccw(c3085.8,719.8) 3052,686 cw(c3032.69,666.69) 3060,666.69 v1(3060,580) ccw(c3122.37,580) 3078.27,535.9 3099.61,514.55 cw(c3071.14,482.13) 3114.29,482.13 ccw(c3190.15,482.13) 3136.51,428.49 v1(3165,400) ; v1@3160,395 v1@3165,390
Uin: DA2.6 DA2.7 DD2.9 | length 2838.1
  Top Layer w12: v1@3169.57,599.57 DD2.9@3169.57,651.81
  Bottom Layer w12: DA2.7@2279,1710 DA2.6@2230,1710 2230,1760 ccw(c2215,1760) 2215,1775 2060.26,1775 ccw(c2060.26,1735.76) 2042.97,1770.99 ccw(c2060.26,1735.76) 2021.02,1735.76 ccw(c2077.52,1725) 2020,1725 2020,1061.21 ccw(c2081.21,1061.21) 2020.95,1050.46 ccw(c2081.21,1061.21) 2081.21,1000 2110,1000 ccw(c2110,1065) 2175,1065 2175,1130 cw(c2215,1130) 2215,1170 2949.11,1170 cw(c2949.11,1109.11) 3009.99,1110 ccw(c3091.08,1110) 3024.94,1063.09 ccw(c3060.17,1088.07) 3045.88,1047.32 cw(c3010.67,949.11) 3115,949.11 3115,815.36 ccw(c3200.36,815.36) 3140,755 3140.71,754.29 cw(c3070,683.58) 3170,683.58 v1(3170,580)
Uspeed: C2.2 DA2.2 DD2.6 DD2.8 R10.2 VD1.Cathode VT2.Drain | length 3824.4
  Top Layer w12: DD2.6@3092.8,651.81 3092.8,687.8 cw(c3104.87,687.8) 3096.33,696.33 v1@3115,715 ; v1(3118.39,715) 3141.58,691.8 cw(c3135.8,686.02) 3143.98,686.02 DD2.8@3143.98,651.81
  Bottom Layer w12: DA2.2@2280,1490 2280,1525 cw(c2295,1525) 2295,1540 2390,1540 ccw(c2390,1557) 2407,1557 VD1.Cathode@2407,1575 2475.51,1575 cw(c2475.51,1554.51) R10.2@2490,1569 C2.2@2490,1631 2490,1660 cw(c2500,1660) 2500,1670 VT2.Drain@2660,1670 ccw(c2623.79,1706.21) 2675,1706.21 2675,1725 ccw(c2620,1725) 2620,1780 2295,1780 cw(c2295,1804.14) 2277.93,1787.07 2270,1795 ccw(c2257.93,1782.93) 2257.93,1800 2060,1800 ccw(c2060,1735) 1995,1735 1995,1053.45 ccw(c2078.45,1053.45) 2078.45,970 2100,970 ccw(c2100,1070) 2200,1070 2200,1120 cw(c2220,1120) 2220,1140 2960,1140 cw(c2960,1117.05) 2982.95,1117.05 2982.95,1071.7 ccw(c3031.35,1071.7) 3021.81,1024.26 3031.98,1023.04 cw(c3020.32,959.6) 3084.82,959.6 ; 3085,959.6 3085,780 ccw(c3161.32,780) 3107.35,726.03 v1(3118.39,715)
VDDA: C17.2 DD2.5 L2.2 R12.1 | length 4439.7
  Top Layer w12: DD2.5@3067.2,651.81 3067.2,700 cw(c3132.2,700) 3090.76,750.08 cw(c3132.2,700) 3132.2,765 C17.2@3256,765 v1(3256,724) L2.2@3256,684
  Bottom Layer w12: R12.1@2890,1709 2890,1730 cw(c2920,1730) 2920,1760 3093.79,1760 ccw(c3093.79,1811.21) 3129.99,1774.99 3132.32,1777.32 cw(c3175,1734.64) 3175,1795 3467.94,1795 cw(c3467.94,1707.94) 3555,1707.94 3555,1608.28 ccw(c3623.28,1608.28) 3575,1560 cw(c3538.79,1523.79) 3586.08,1543.44 cw(c3538.79,1523.79) 3590,1523.79 3590,1466.83 cw(c3463.17,1466.83) 3463.17,1340 2541.21,1340 ccw(c2541.21,1288.79) 2505,1325 cw(c2468.79,1361.21) 2468.79,1310 2155,1310 ccw(c2155,1295) 2140,1295 2140,1220 ccw(c2160,1220) 2160,1200 2945,1200 cw(c2945,1108.28) 3036.72,1108.28 ; 3036.72,1107.56 ccw(c3079.27,1107.56) 3049.18,1077.48 3110.99,1033.03 cw(c3040.95,962.99) 3140,962.99 3140,811.21 ccw(c3191.21,811.21) 3154.99,775.01 3176.71,753.29 ccw(c3247.42,824) 3247.42,724 v1(3256,724)
pads on no net: DA4.NC DA5.4 DA5.5 DA6.4 DA6.5

## Polygon pours and split planes (outlines as drawn)
GND on Bottom Layer "NONET_L01_P-001" (solid, remove dead copper, pour order 35): 200,1950 ccw(c200,1775) 25,1775 25,1245 ccw(c50,1245) 50,1220 1925,1220 ccw(c1925,1245) 1950,1245 1950,1925 ccw(c1925,1925) 1925,1950
GND on Bottom Layer "NONET_L01_P-001" (solid, remove dead copper, pour order 37): 2150,0 ccw(c2125,0) 2125,25 1475,25 cw(c1474.99,50) 1450,50 1450,1100.12 cw(c1465,1100.12) 1465,1115.12 1780,1115.12 cw(c1780.01,1020.12) 1875,1020.12 1875.12,937.28 ccw(c1983.33,934.71) 1905,860 2045,720 ccw(c2160.36,827.78) 2155,670 2235,670 cw(c2238.06,593.77) 2289.82,649.82 2420,525 cw(c2376.38,478.65) 2440,480.55 2440,165 ccw(c2650,165) 2650,-45 3430,-45 ccw(c3430,-25) 3450,-25 3450,50 ccw(c3425,50) 3425,75 2650,75 cw(c2650,175) 2550,175 2550,575 ccw(c2459.1,577.35) 2525,640 2370,795 ccw(c2320.88,744.69) 2320,815 2205,815 cw(c2212.42,1001.91) 2075,875 2000,950 2000,1150 cw(c2025,1150) 2025,1175 3875,1175 cw(c3875.01,1150.01) 3900,1150 3900,-425 cw(c3875.01,-425.01) 3875,-450 3450,-450 ccw(c3449.98,-510.3) 3407.32,-467.68 2700,-1175 2692.68,-1182.32 cw(c2650.01,-1139.67) 2650,-1200 1875,-1200 cw(c1875,-1175) 1850,-1175 1850,-650 cw(c1875,-650) 1875,-625 2100,-625 ccw(c2100,-575) 2150,-575
GND on Bottom Layer "NONET_L01_P-001" (solid, remove dead copper, pour order 34): 3600,1950 3725,1950 cw(c3725,1775) 3900,1775 3900,1250 cw(c3875,1250) 3875,1225 1967.5,1225 1967.5,1927.5 cw(c1990,1927.5) 1990,1950
GND on Bottom Layer "NONET_L01_P-001" (solid, remove dead copper, pour order 23): 1325,1200 cw(c1325,1175) 1350,1175 1350,-1200.79 380,-1200.79 cw(c380,-1175.79) 355,-1175.79 355,1175 cw(c380,1175) 380,1200 385,1200
NetC30_2 on Bottom Layer "NONET_L01_P-001" (solid, pour order 26): 260,-840 330,-840 330,-960 260,-960
NetC30_1 on Bottom Layer "NONET_L01_P-001" (solid, pour order 25): 260,-1030 330,-1030 330,-1150 260,-1150
GND on Top Layer "NONET_L01_P-001" (solid, remove dead copper, pour order 27): 25,1505 ccw(c50,1505) 50,1480 213,1480 213,1224.63 3885,1224.63 ccw(c3884.82,1249.81) 3910,1250 3910,1673.71 3910,1770 ccw(c3730,1770) 3730,1950 3600,1950 205,1950 ccw(c205,1770) 25,1770
-M on Top Layer "Top Layer--M" (solid, pour order 39): 240,1175 240,935 ccw(c265,935) 265,910 597,910 597,625 752.15,625 752.31,350 910,350 ccw(c910,375) 935,375 935,1175 ccw(c910,1175) 910,1200 265,1200 ccw(c265,1175)
+24V on Top Layer "Top Layer-+24V" (solid, pour order 38): 990,145 ccw(c990,170) 1015,170 1015,1175 cw(c1040,1175) 1040,1200 1325,1200 cw(c1325,1175) 1350,1175 1350,-1175 cw(c1325,-1175) 1325,-1200 1040,-1200 cw(c1040,-1175) 1015,-1175 1015,-545 ccw(c990,-545) 990,-520 673,-520 673,-435 543,-435 543,-145 265,-145 cw(c265,-120) 240,-120 240,495 cw(c265,495) 265,520 602,520 602,435 732,435 732,145
GND on Top Layer "NONET_L01_P-001" (solid, pour order 29): 1850,-25 cw(c1825,-25) 1825,-50 1400,-50 cw(c1400,-25) 1375,-25 1375,1175 cw(c1400,1175) 1400,1200 1850,1200
GND on Top Layer "NONET_L01_P-001" (solid, pour order 33): 3795,-308 cw(c3795,-333) 3820,-333 3820,-380 3785,-380 3785,-308
GND on Top Layer "NONET_L01_P-001" (solid, pour order 32): 3440,-320 3440,-380 3475,-380 3475,-320
GND on Top Layer "NONET_L01_P-001" (solid, pour order 31): 2595,680 ccw(c2595,655) 2570,655 2570,580 2490,580 2490,655 ccw(c2465,655) 2465,680 2285,680 ccw(c2285,655) 2260,655 2260,580 2180,580 2180,655 ccw(c2155,655) 2155,680 1775,680 1775,770 2155,770 ccw(c2155,795) 2180,795 2180,870 2260,870 2260,795 ccw(c2285,795) 2285,770 2465,770 ccw(c2465,795) 2490,795 2490,870 2570,870 2570,795 ccw(c2595,795) 2595,770 2620,770 2620,680
NetC23_2 on Top Layer "NONET_L01_P-001" (solid, pour order 5): 633,-600 543,-600 543,-550 633,-550
NetC22_2 on Top Layer "NONET_L01_P-001" (solid, pour order 6): 633,-510 543,-510 543,-460 633,-460
GND on Top Layer "NONET_L01_P-001" (solid, pour order 8): 265,750 ccw(c265,725) 240,725 240,565 ccw(c265,565) 265,540 340,540 602,540 602,610 582,610 582,750
NetC25_2 on Top Layer "NONET_L01_P-001" (solid, pour order 10): 642,600 732,600 732,550 642,550
NetC24_2 on Top Layer "NONET_L01_P-001" (solid, pour order 11): 642,510 732,510 732,460 642,460
+M on Top Layer "NONET_L01_P-001" (solid, pour order 12): 678,-915 678,-625 522.85,-625 522.69,-350 338,-350 338,-915
GND on Top Layer "NONET_L01_P-001" (solid, pour order 13): 935,-750 693,-750 693,-610 673,-610 673,-540 935,-540
+M on Top Layer "NONET_L01_P-001" (solid, pour order 21): 910,-910 cw(c910,-935) 935,-935 935,-1175 cw(c910,-1175) 910,-1200 375,-1200 ccw(c375,-1225) 350,-1225 350,-1430 cw(c325,-1430) 325,-1455 265,-1455 cw(c265,-1430) 240,-1430 240,-375 cw(c265,-375) 265,-350 340,-350 340,-910

## Keep-outs
Keep-Out Layer:
  circle w20: c3740.16,-1771.65 r141.36
  circle w20: c196.85,-1771.65 r141.36
  circle w20: c3740.16,1771.65 r141.36
  circle w20: c196.85,1771.65 r141.36

## Silkscreen, mask and mechanical layers (free items; w line width, h text height)
Top Overlay:
  text "GND" at 2635,975 h70
  text "CLK" at 2635,875 h70
  text "DIO" at 2635,775 h70
  text "Vcc" at 2635,675 h70
  text "Power" at 3525,527.5 h70
  text "RX" at 3525,447.5 h70
  text "TX" at 3525,367.5 h70
  text "DO0" at 3525,287.5 h70
  text "DO1" at 3525,207.5 h70
  text "+M" at 201.77,-1614.17 h100
  text "-M" at 398.62,-1614.17 h100
  text "+24V" at 595.47,-1614.17 h100
  text "GND" at 792.32,-1614.17 h100
  text "DI0" at 989.17,-1614.17 h100
  text "DI0" at 1186.02,-1614.17 h100
  text "DI1" at 1382.87,-1614.17 h100
  text "DI1" at 1575.79,-1614.17 h100
  text "A" at 1771.65,-1614.17 h100
  text "B" at 1968.5,-1614.17 h100
  text "A" at 2165.35,-1614.17 h100
  text "B" at 2362.2,-1614.17 h100
  text "0C" at 2559.06,-1614.17 h100
  text "0NO" at 2755.91,-1614.17 h100
  text "0NC" at 2952.76,-1614.17 h100
  text "1C" at 3149.61,-1614.17 h100
  text "1NO" at 3346.46,-1614.17 h100
  text "1NC" at 3543.31,-1614.17 h100
Board:
  the board outline again, w10